# Altium PCB UltraZohm_Analog_ADS5272.PcbDoc (part 2 of 4)
Units mm, origin at the board's own origin, x right, y up, seen from the top; angles counter-clockwise.
Board outline 156.02 x 100.09 mm, 6 copper layers (Top Layer, AGND, VCC, GND, Signal 1, Bottom Layer), stack 1.58 mm thick; 321 components, 279 nets, 1409 pads, 548 vias.
Unrouted connection lines stored in the file: 181.
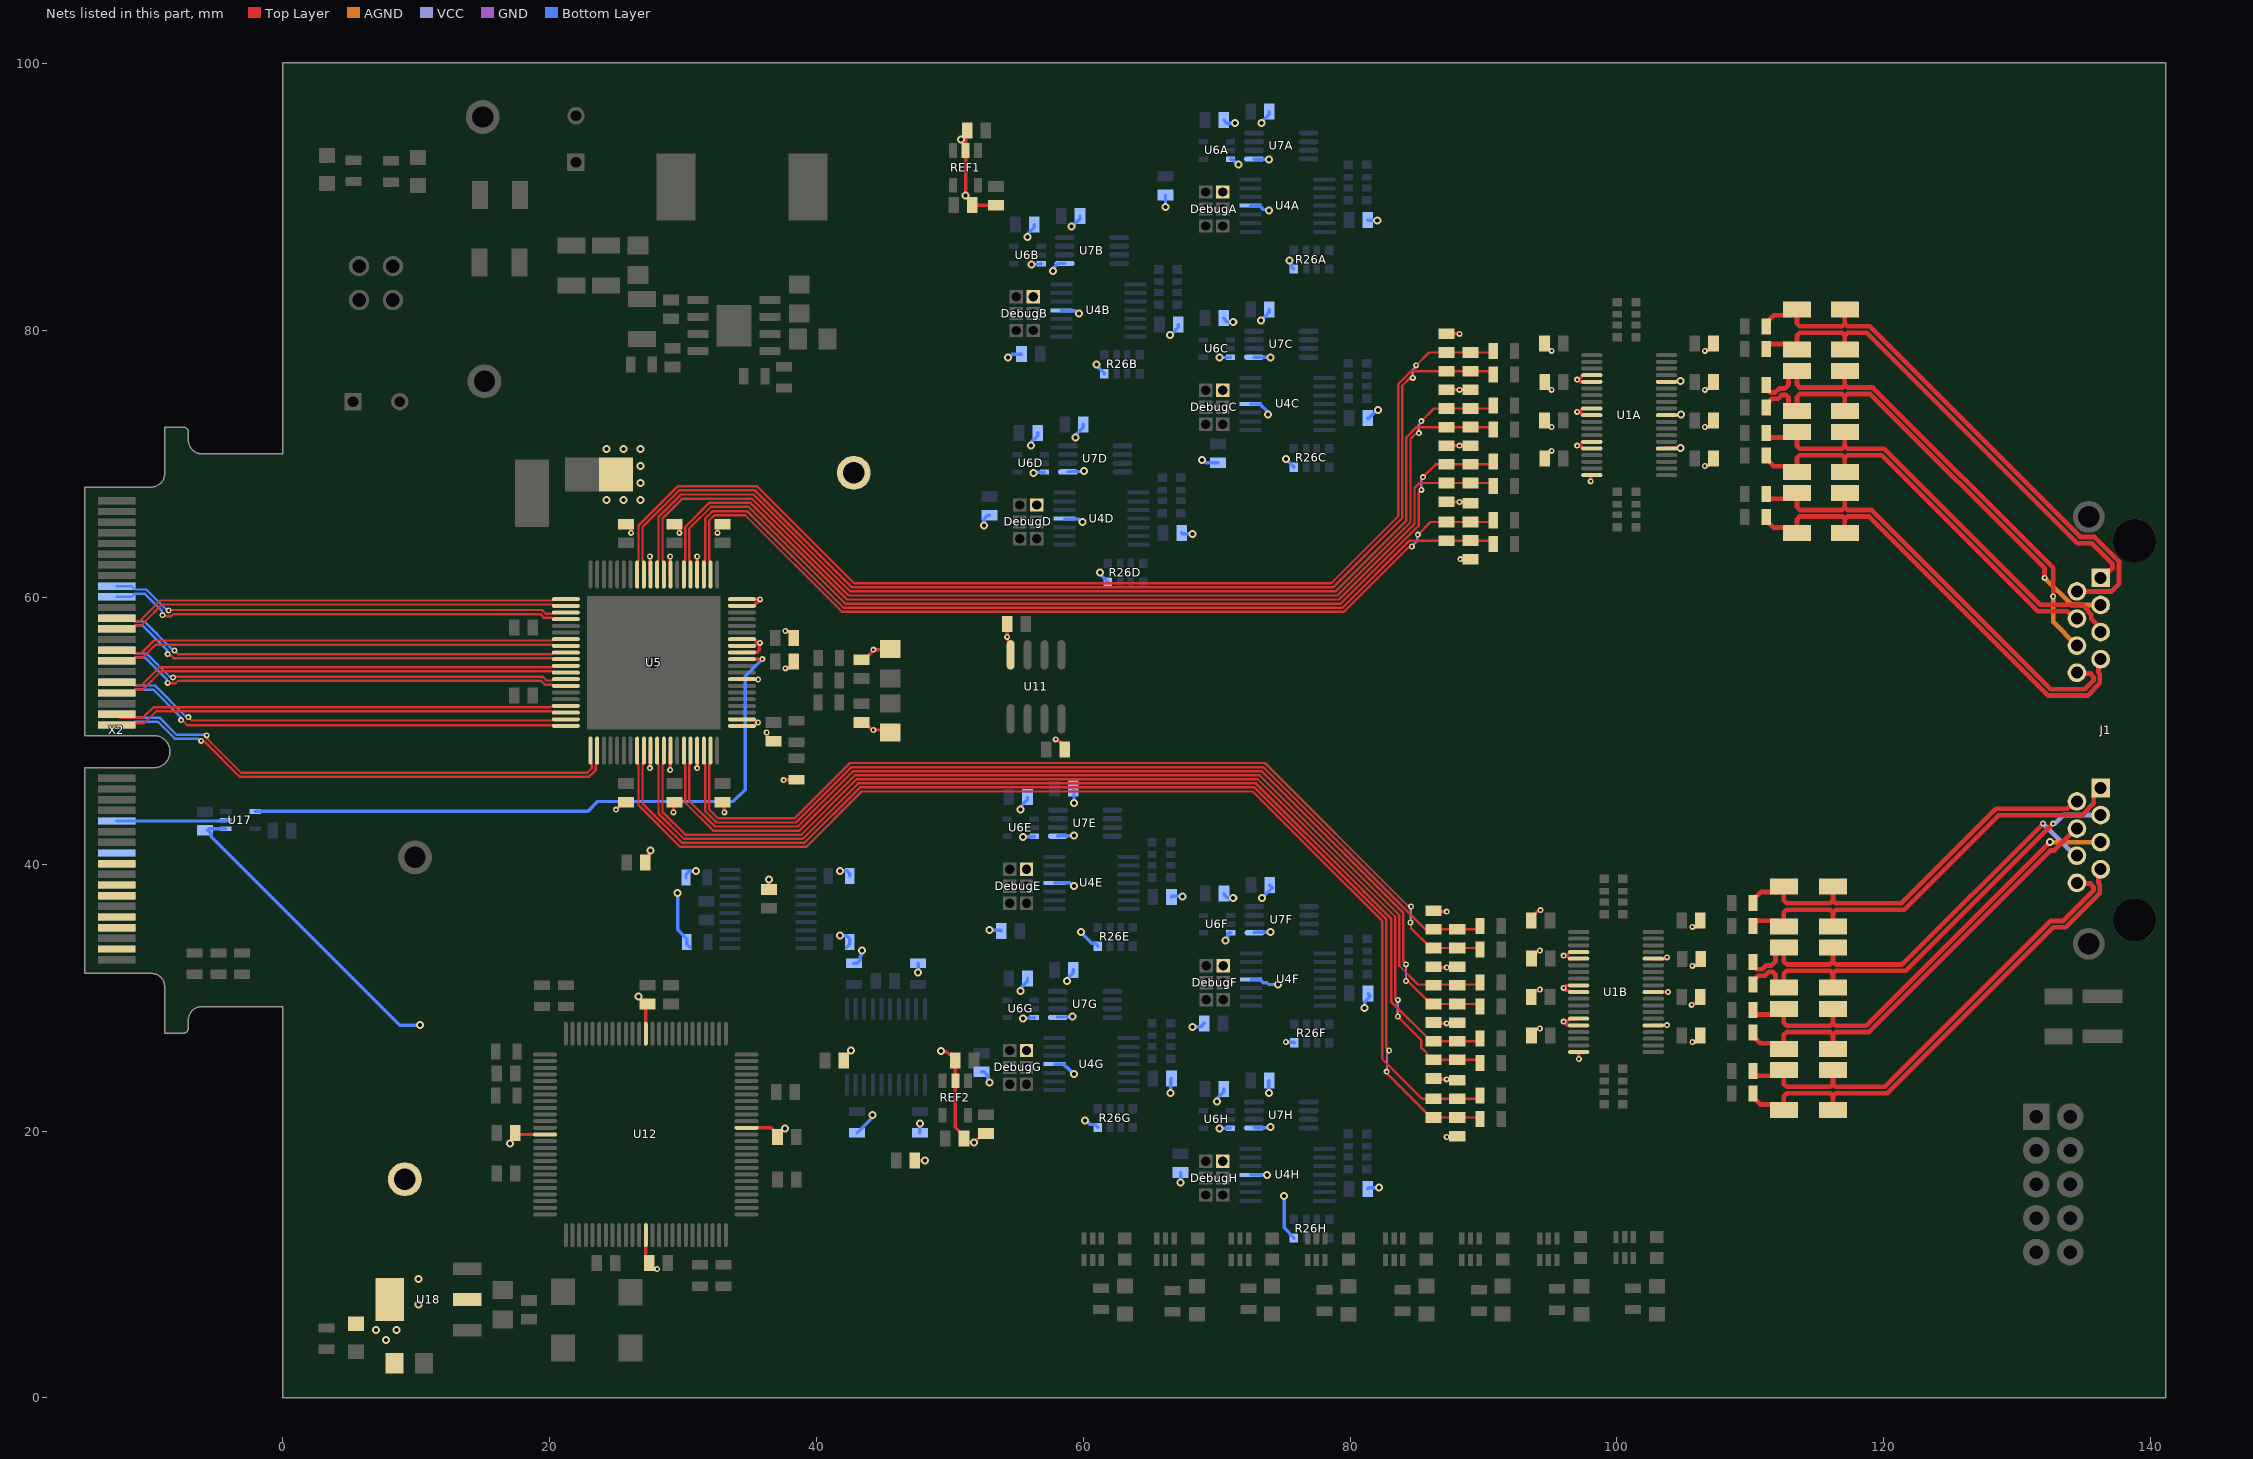
[diagram p6: the nets of this part, all layers, seen from the top]

## Part data
BS1 BS2: library part Bead, "6A", Manufacturer Part-Number=HI1206T500R-10, Digikey Part-Number=240-2412-1-ND
C1A C1B C2A C2B C10 C13 C15 C16 C17 C18 C19 C20 C21 C22 C23 C24 C25 C28 C29 C30 C31 C32 C33 C34 C35A C35B C36A C36B C37A C37B C38A C38B C39A C39B C40 C44 C46 C49A C49B C53 C55 C56 C57 C58 C59 C68A C68B C68C C68D C68E C68F C68G C68H C69A C69B C69C C69D C69E C69F C69G C69H C70A C70B C70C C70D C70E C70F C70G C70H C73 C74 C75 C76 C77 C78 C85A C85B C85C C85D C85E C85F C85G C85H C86 C87 C88 C89 C90 C91: library part Cap_0603, "Capacitor", Manufacturer Part-Number=LD03YC104KAB2A, Digikey Part-Number=478-4929-1-ND, LatestRevisionDate=17-Jul-2002, LatestRevisionNote="Re-released for DXP Platform.", PackageReference=RAD-0.3, Published=8-Jun-2000, Publisher="Altium Limited", Rule=PcbType=ProtelPcb
C3 C4 C5 C6 C7 C9 C11 C12: library part Cap_0603, "Capacitor", Manufacturer Part-Number=0603YC104K4T4A, Digikey Part-Number=478-9382-1-ND, LatestRevisionDate=17-Jul-2002, LatestRevisionNote="Re-released for DXP Platform.", PackageReference=RAD-0.3, Published=8-Jun-2000, Publisher="Altium Limited", Rule=PcbType=ProtelPcb
C8: library part Cap_0805, "Capacitor", Manufacturer Part-Number=C0805C104Z5VACTU, Voltage="50 V", Digikey Part-Number=399-1177-1-ND
C14 C63 C71 C72: library part Cap_0805, "Capacitor", Manufacturer Part-Number=GMK212B7105MG-T, Voltage="35 V", Digikey Part-Number=587-4892-1-ND
C26 C27: library part Cap_0805, "Capacitor", Manufacturer Part-Number=CL21B225KPFNNNE, Voltage="10 V", Digikey Part-Number=1276-1188-1-ND
C41A C41B C42A C42B C45A C45B C47A C47B C50A C50B C51A C51B C54A C54B C64A C64B: library part Cap_0603, "Capacitor", Manufacturer Part-Number=CL10B201KB8NNNC, Digikey Part-Number=1276-1982-1-ND, LatestRevisionDate=17-Jul-2002, LatestRevisionNote="Re-released for DXP Platform.", PackageReference=RAD-0.3, Published=8-Jun-2000, Publisher="Altium Limited", Rule=PcbType=ProtelPcb
C43A C43B C48A C48B C52A C52B C65A C65B: library part Cap_0603, "Capacitor", Manufacturer Part-Number=06031A101FAT2A, Digikey Part-Number=478-3671-1-ND, LatestRevisionDate=17-Jul-2002, LatestRevisionNote="Re-released for DXP Platform.", PackageReference=RAD-0.3, Published=8-Jun-2000, Publisher="Altium Limited", Rule=PcbType=ProtelPcb
C60 C61: library part 860020574012, "WCAP-ATG5 Aluminum Electrolytic Capacitors, 8x11.5mm, 35 Vdc, 220 uF", Operating Temperature="-40 °C up to +105 °C", Supplier Part Number 1=710-860020574012, Voltage="35 Vdc", ComponentLink1Description=Manufacturer, ComponentLink1URL=http://www.we-online.de, ComponentLink2Description=Datasheet, ComponentLink2URL=http://katalog.we-online.com/pbs/datasheet/860020574012.pdf, Life Cycle=2000h, MF="Wurth Elektronik", MPN=860020574012, Part Number=860020574012, Published Date="Sep. 2017", Size=8x11.5mm, Supplier 1=Mouser
C62 C66 C67: library part Cap_1206, "Capacitor", Manufacturer Part-Number=GRM319R6YA106KA12D, Voltage="35 V", Digikey Part-Number=490-9964-2-ND*
C80: library part Cap_1210, "Capacitor", Voltage=1000V, LatestRevisionDate=17-Jul-2002, LatestRevisionNote="Re-released for DXP Platform.", PackageReference=RAD-0.3, Published=8-Jun-2000, Publisher="Altium Limited"
C81A C81B C82A C82B C83A C83B C84A C84B: library part Cap_1206, "Capacitor"
C92: library part Cap_0603, "Capacitor Ceramic", Manufacturer Part-Number=CL10A105KB8NNNC, Voltage="50 V", Digikey Part-Number=1276-1860-1-ND
D1 D2: library part LED2, "LED Magenta", Manufacturer Part-Number=150080BS75000, PackageDocument=Feb-2002, Digikey Part-Number=732-4982-1-ND, LatestRevisionDate=17-Jul-2002, LatestRevisionNote="Re-released for DXP Platform.", PackageReference=3.2X1.6X1.1, Published=8-Jun-2000, Publisher="Altium Limited"
D3: library part LED2, "LED Magenta", Manufacturer Part-Number="LG L29K-F2J1-24-Z", PackageDocument=Feb-2002, Digikey Part-Number=475-3118-1-ND, LatestRevisionDate=17-Jul-2002, LatestRevisionNote="Re-released for DXP Platform.", PackageReference=3.2X1.6X1.1, Published=8-Jun-2000, Publisher="Altium Limited"
D4 D5 D6 D7 D8 D9 D10 D11: library part LED2, "LED Magenta", Manufacturer Part-Number=150080YS75000, PackageDocument=Feb-2002, Digikey Part-Number=732-4987-1-ND, LatestRevisionDate=17-Jul-2002, LatestRevisionNote="Re-released for DXP Platform.", PackageReference=3.2X1.6X1.1, Published=8-Jun-2000, Publisher="Altium Limited"
DebugA DebugB DebugC DebugD DebugE DebugF DebugG DebugH: library part "Header 3x2 Macho_Pitch_1.27mm", "Connector Header Through Hole 6 position 0.050\" (1.27mm)", Manufacturer Part-Number=GRPB032VWVN-RC, Digikey Part-Number=S9015E-03-ND
J1: "Modular Jack WR-MJ, Tab Up, Shielded, Dual Port, Righ Angle, THT, 8P8C", Contact Resistance="20 mOhm", Operating Temperature="-40 to 85 degC", Rated Current="1.5 A", Supplier Part Number 1=523-RJHSE-5380-02, Withstanding Voltage="1000 VAC", Working Voltage="120 VAC", Compliance="Lead free / RoHS", ComponentLink1Description=Manufacturer, ComponentLink1URL=http://www.we-online.de, ComponentLink2Description=Datasheet, ComponentLink2URL=https://katalog.we-online.de/em/datasheet/615016137621.pdf, Entrance="Right Angle", MF=Amphenol, Mounting Technology=THT, MPN=RJHSE-5380-02, Packaging=Tray, Pin Number=8P8C, Port=1x2, Published Date="July 2018", Supplier 1=Mouser
"JTAG CPLD": library part "Header JTAG_MAXII", "Header, 5-Pin, Dual row, Vertical", Manufacturer Part-Number=3020-10-0200-00, Digikey Part-Number=1175-1615-ND, LatestRevisionDate=17-Jul-2002, LatestRevisionNote="Re-released for DXP Platform.", Publisher="Altium Limited"
L2: library part B82464G4154M, "SMT power Inductor, 15uH, 40m DRC", MPN=48150SC, Rated Current="3.7 A", Supplier Part Number 1=811-3837-1-ND, DCR=40m, MF=Murata, Supplier 1=Digikey
POT1 POT2: "Digital Trimmer", Manufacturer Part-Number=X95840WV20IZ-2.7, Digikey Part-Number=X95840WV20IZ-2.7-ND
R1 R2 R21 R22: library part Res0603, Manufacturer Part-Number=ERJ-3GEYJ222V, Digikey Part-Number=P2.2KGCT-ND, LatestRevisionDate=17-Jul-2002, LatestRevisionNote="Re-released for DXP Platform.", PackageDescription="Axial Device, Thru-Hole; 2 Leads; 0.3 in Pin Spacing", PackageReference=AXIAL-0.3, Published=8-Jun-2000, Publisher="Altium Limited"
R3 R4 R5 R6 R7 R8 R9 R10: library part Res0603, Manufacturer Part-Number=ESR03EZPJ681, Digikey Part-Number=RHM680DCT-ND, LatestRevisionDate=17-Jul-2002, LatestRevisionNote="Re-released for DXP Platform.", PackageDescription="Axial Device, Thru-Hole; 2 Leads; 0.3 in Pin Spacing", PackageReference=AXIAL-0.3, Published=8-Jun-2000, Publisher="Altium Limited"
R11: library part Res0603, Manufacturer Part-Number=ESR03EZPJ102, Digikey Part-Number=RHM1.0KDCT-ND, LatestRevisionDate=17-Jul-2002, LatestRevisionNote="Re-released for DXP Platform.", PackageDescription="Axial Device, Thru-Hole; 2 Leads; 0.3 in Pin Spacing", PackageReference=AXIAL-0.3, Published=8-Jun-2000, Publisher="Altium Limited"
R12 R56 R73 R74 R75 R80 R81 R82 R83: library part Res0603, Manufacturer Part-Number=RT0603DRD0710KL, Digikey Part-Number=311-10KDCT-ND, LatestRevisionDate=17-Jul-2002, LatestRevisionNote="Re-released for DXP Platform.", PackageDescription="Axial Device, Thru-Hole; 2 Leads; 0.3 in Pin Spacing", PackageReference=AXIAL-0.3, Published=8-Jun-2000, Publisher="Altium Limited"
R13 R14 R15: library part Res0603, Manufacturer Part-Number=CRCW06030000Z0EA, Digikey Part-Number=541-0.0GCT-ND, LatestRevisionDate=17-Jul-2002, LatestRevisionNote="Re-released for DXP Platform.", PackageDescription="Axial Device, Thru-Hole; 2 Leads; 0.3 in Pin Spacing", PackageReference=AXIAL-0.3, Published=8-Jun-2000, Publisher="Altium Limited"
R16: library part Res0603, Manufacturer Part-Number=ERA-3AEB472V, Digikey Part-Number=P4.7KDBCT-ND, LatestRevisionDate=17-Jul-2002, LatestRevisionNote="Re-released for DXP Platform.", PackageDescription="Axial Device, Thru-Hole; 2 Leads; 0.3 in Pin Spacing", PackageReference=AXIAL-0.3, Published=8-Jun-2000, Publisher="Altium Limited"
R17 R18: library part Res0603, Manufacturer Part-Number=CPF0603F2R0C1, Digikey Part-Number=A102258CT-ND, LatestRevisionDate=17-Jul-2002, LatestRevisionNote="Re-released for DXP Platform.", PackageDescription="Axial Device, Thru-Hole; 2 Leads; 0.3 in Pin Spacing", PackageReference=AXIAL-0.3, Published=8-Jun-2000, Publisher="Altium Limited"
R19: library part Res0603, Manufacturer Part-Number=RT0603DRD0756KL, Digikey Part-Number=311-56KDCT-ND, LatestRevisionDate=17-Jul-2002, LatestRevisionNote="Re-released for DXP Platform.", PackageDescription="Axial Device, Thru-Hole; 2 Leads; 0.3 in Pin Spacing", PackageReference=AXIAL-0.3, Published=8-Jun-2000, Publisher="Altium Limited"
R20 R41 R90: library part Res0603, Manufacturer Part-Number=RC0603JR-07220RL, Digikey Part-Number=311-220GRCT-ND, LatestRevisionDate=17-Jul-2002, LatestRevisionNote="Re-released for DXP Platform.", PackageDescription="Axial Device, Thru-Hole; 2 Leads; 0.3 in Pin Spacing", PackageReference=AXIAL-0.3, Published=8-Jun-2000, Publisher="Altium Limited"
R23A R23B R24A R24B: library part "ResArray 1206", "Chip Resistor Array 0606, 4xR", MPN=ACASA1002S1002P100, Supplier Part Number 1=749-1023-1-ND, Created=Kreppel_0420, MF=Vishay, Supplier 1=Digikey
R25A R25B R25C R25D R25E R25F R25G R25H: library part "ResArray 1206", "Chip Resistor Array 0606, 4xR", MPN=ACASA1003S1003P1AT, Supplier Part Number 1=749-1032-1-ND, Created=Kreppel_0420, MF=Vishay, Supplier 1=Digikey
R26A R26B R26C R26D R26E R26F R26G R26H: library part "ResArray 1206", "Chip Resistor Array 0606, 4xR", MPN=Vishay, Supplier Part Number 1=749-1023-1-ND, Created=Kreppel_0420, MF=ACASA1002S1002P100, Supplier 1=Digikey
R27 R35 R36: library part Res0603, LatestRevisionDate=17-Jul-2002, LatestRevisionNote="Re-released for DXP Platform.", PackageDescription="Axial Device, Thru-Hole; 2 Leads; 0.3 in Pin Spacing", PackageReference=AXIAL-0.3, Published=8-Jun-2000, Publisher="Altium Limited"
  R35: Digikey Part-Number=RR08P100KDCT-ND
  R36: Digikey Part-Number=RR08P40.2KDCT-ND
R28: library part Res1206, "Resistor"
R31A R31B R34A R34B R37A R37B R40A R40B R43A R43B R46A R46B R49A R49B R52A R52B: library part Res0603, Manufacturer Part-Number=RMCF0603FT48R7, Digikey Part-Number=RMCF0603FT48R7CT-ND, LatestRevisionDate=17-Jul-2002, LatestRevisionNote="Re-released for DXP Platform.", PackageDescription="Axial Device, Thru-Hole; 2 Leads; 0.3 in Pin Spacing", PackageReference=AXIAL-0.3, Published=8-Jun-2000, Publisher="Altium Limited"
R32A R32B R33A R33B R38A R38B R39A R39B R44A R44B R45A R45B R50A R50B R51A R51B: library part Res0603, Manufacturer Part-Number=ERA-3AEB3922V, Digikey Part-Number=P39.2KDBCT-ND, LatestRevisionDate=17-Jul-2002, LatestRevisionNote="Re-released for DXP Platform.", PackageDescription="Axial Device, Thru-Hole; 2 Leads; 0.3 in Pin Spacing", PackageReference=AXIAL-0.3, Published=8-Jun-2000, Publisher="Altium Limited"
R57A R57B R58A R58B R62A R62B R63A R63B: library part "Res Semi", "Limiter Resistor", Manufacturer Part-Number=ERA-8AEB161V, Digikey Part-Number=P160BCCT-ND, LatestRevisionDate=17-Jul-2002, LatestRevisionNote="Re-released for DXP Platform.", PackageDescription="Axial Device, Thru-Hole; 2 Leads; 0.5 in Pin Spacing", PackageReference=AXIAL-0.5, Published=8-Jun-2000, Publisher="Altium Limited"
R89: library part Res0603, Manufacturer Part-Number=RC0603FR-07330RL, Digikey Part-Number=311-330HRCT-ND, LatestRevisionDate=17-Jul-2002, LatestRevisionNote="Re-released for DXP Platform.", PackageDescription="Axial Device, Thru-Hole; 2 Leads; 0.3 in Pin Spacing", PackageReference=AXIAL-0.3, Published=8-Jun-2000, Publisher="Altium Limited"
REF1 REF2: Manufacturer Part-Number=REF2033AIDDCT, Digikey Part-Number=296-40487-1-ND
TP1 TP2 TP3 TP4 TP5: library part TP, "1.6mm Test Point Keystone", MPN=5006, Supplier Part Number 1=36-5006-ND, Created=2020_04_Kreppel, MF="Keystone Electronics", Supplier 1=Digikey
U1A U1B: library part THS4524_1, "Quad Channel fully differential Amplilfier", Package=TSSOP-38, Supplier Part Number 1=595-THS4524IDBTR, Created=20190720_Kreppel, MF="Texas Instruments", MPN=THS4524, Supplier 1=Mouser
U2 U3 U8 U9 U10 U13 U14 U15: library part MIC94092, "General Purpose High Side Load Switch", MPN=MIC94092YC6-TR, Supplier Part Number 1=576-3488-1-ND, Created="4/20 Kreppel", MF="Microchip Technologies", Supplier 1=Digikey
U4A U4B U4C U4D U4E U4F U4G U4H: "opamp rai to rail 1mV", Manufacturer Part-Number=OPA4344EA/250, Digikey Part-Number=OPA4344EACT-ND
U5: Manufacturer Part-Number=ADS5272IPFP, Digikey Part-Number=296-18605-ND
U6A U6B U6C U6D U6E U6F U6G U6H: "2-Input NAND Gate", Manufacturer Part-Number=MC74VHC1G00DFT1G, ComponentLink1Description="Manufacturer Link", ComponentLink1URL=http://www.onsemi.com/, ComponentLink2Description=Datasheet, ComponentLink2URL=http://www.onsemi.com/pub/Collateral/MC74VHC1G00-D.PDF, DatasheetVersion=Dec-1999, Digikey Part-Number=MC74VHC1G00DFT1GOSTR-ND, LatestRevisionDate=12-Dec-2006, LatestRevisionNote="IPC-7351 Footprint Added.", PackageDescription="5-Pin SOT-353 Package 0.65 mm Pitch, 2.1 mm Lead Span", PackageReference=419A-01, PackageVersion=Oct-1999, Published=15-Apr-2002, Publisher="Altium Limited"
U7A U7B U7C U7D U7E U7F U7G U7H: library part MAX962, "IC COMPARATOR BTR 8-UMAX", Manufacturer Part-Number=MAX962EUA+, Digikey Part-Number=MAX962EUA+-ND
U11: "IC OPAMP JFET 3MHZ 8SOIC", Manufacturer Part-Number=TL071CDR, Digikey Part-Number=296-14994-1-ND
U12: "MAX V CPLD 440MC 9NS 100TQFP", Digikey Part-Number=544-2839-ND, Manufacturer Part-Number=5M570ZT100C5N
U16: library part LMR33620A, "3.8V to 36V, 2A synchronous step-down converter", Supplier Part Number 1=296-51355-1-ND, Switching frequency=400kHz, Created="4/20 Kreppel", MF="Texas Instruments", MPN=LMR33620A, Supplier 1=Digikey
U17: library part SN74AUP1T34, "1-Bit Unidirection Voltage Level Translator", MPN=SN74AUP1T34-Q1, Package=SC70, Suppllier Part Number 1=296-40540-1-ND, Created=2020_04_Kreppel, MF="Texas Instruments", Supplier 1=Digikey
U18: library part TLV1117LV18DCYR, "1A Positive 1.8V Fixed-Voltage Low-Dropout Regulator", Current Max="1 A", Supplier Part Number 1=296-28777-1-ND, Voltage Input Max="5.5 V", Voltage Output="1.8 V", Created=2020_04_Kreppel, MF="Texas Instruments", MPN=TLV1117LV18DCYR, Supplier 1=Digikey
X1: library part Oscilador_1, "Oscilador 20MHz", Manufacturer Part-Number=CB3LV-3I-20M0000, Digikey Part-Number=CTX306LVCT-ND
X2: "Mating Card Layout for HSEC8-140-01-XX-DV-A-BL", Manufacturer=SAMTEC, Created=2018_04_23_AGeiger
X3: library part IPL1-102-XX-X-D-X, "2.54mm Double Row Terminal Assembly, Right-Angled", Manufacturer=SAMTEC, Created=2018_05_02_AGeiger, MPN=IPL1-102-01-L-D-K

## Via types
v1: diameter 0.6, hole 0.3, Top Layer to Bottom Layer, tented both sides, 338 vias
v2: diameter 0.45, hole 0.2, Top Layer to Bottom Layer, tented both sides, 182 vias
v3: diameter 0.45, hole 0.2, Top Layer to Bottom Layer, tented bottom, 16 vias
v4: diameter 0.5, hole 0.2, Top Layer to Bottom Layer, tented both sides, 6 vias
v5: diameter 0.8, hole 0.4, Top Layer to Bottom Layer, tented both sides, 4 vias
v6: diameter 0.45, hole 0.2, Top Layer to Bottom Layer, 2 vias

## Nets (pads, with @x,y where several pads share a name; then routed paths per layer and width w, separated by ;. In a path a pad name is that pad's centre, name@x,y a point inside that pad or via, vN(x,y) a via of type N, cw(c..) or ccw(c..) an arc to the next point about the centre after c; other vN are vias at no path point)
+1.8V: C55.1 C56.1 C57.1 C58.1 C72.1 C86.1 D3.1 TP5.1 U12.13 U12.39 U12.63 U12.88 U17.1 U18.2 U18.4 | length 36.6
  Top Layer w0.254: v1(17.018,19.05) 17.018,19.144 17.161,19.286 17.161,19.596 C58.1@17.434,19.869 17.561,19.742 U12.88@19.66,19.742 ; v1(26.67,30.099) 26.736,30.033 26.736,29.921 27.137,29.521 C57.1@27.337,29.521 27.21,29.394 U12.63@27.21,27.292 ; U12.13@27.21,12.192 27.21,10.344 C55.1@27.464,10.09 27.464,9.925 27.737,9.652 v2(28.067,9.652) ; U12.39@34.76,20.242 36.597,20.242 C56.1@37.081,19.758 ; C56.1@37.081,19.558 C56.1@37.081,19.758 ; v1(37.655,20.188) 37.589,20.122 37.445,20.122 C56.1@37.081,19.758
  Bottom Layer w0.254: U17.1@-4.285,42.657 -5.53,42.657 -5.642,42.545 -5.369,42.272 -5.369,42.072 8.763,27.94 v1(10.287,27.94)
  other v1: 7.747,4.318 6.985,5.08 8.509,5.08 10.16,6.985 10.16,8.89
ADC_IN_N1: C64A.2 C65A.1 R31A.1 U5.3 | length 68.7
  Top Layer w0.178: U5.3@31.563,61.718 31.563,62.651 31.661,62.749 31.661,65.917 32.154,66.41 32.169,66.41 32.231,66.472 34.797,66.472 42.036,59.233 79.426,59.233 84.452,64.259 C65A.1@87.249,64.259 89.027,64.259 90.478,64.259 R31A.1@90.729,64.008
ADC_IN_N2: C42A.2 C43A.1 R37A.1 U5.6 | length 73.2
  Top Layer w0.178: U5.6@30.063,61.718 30.063,62.651 30.161,62.749 30.161,63.595 30.166,63.6 30.166,65.284 31.988,67.107 35.024,67.107 42.289,59.842 79.173,59.842 84.836,65.505 84.836,68.199 85.217,68.58 C42A.2@87.249,68.58 C43A.1@89.027,68.58 90.495,68.58 R37A.1@90.729,68.346
ADC_IN_N3: C47A.2 C48A.1 R43A.1 U5.10 | length 79.5
  Top Layer w0.178: U5.10@28.063,61.718 28.063,62.651 28.161,62.749 28.161,66.036 29.841,67.716 35.277,67.716 42.541,60.452 78.921,60.452 84.226,65.758 84.226,72.009 84.985,72.768 C48A.1@87.249,72.768 89.027,72.768 90.548,72.768 R43A.1@90.729,72.587
ADC_IN_N4: C51A.2 C52A.1 R49A.1 U5.13 | length 84.5
  Top Layer w0.178: U5.13@26.563,61.718 26.563,62.651 26.661,62.749 26.661,65.398 29.588,68.326 35.56,68.326 42.824,61.062 78.588,61.062 83.617,66.091 83.617,75.997 84.582,76.962 C51A.2@87.249,76.962 C52A.1@89.027,76.962 90.475,76.962 R49A.1@90.729,76.708
ADC_IN_N5: C64B.2 C65B.1 R31B.1 U5.49 | length 86.9
  Top Layer w0.178: U5.49@27.063,48.518 27.063,47.585 26.965,47.487 26.965,44.562 29.923,41.605 39.112,41.605 43.265,45.758 72.836,45.758 82.728,35.867 82.728,26.238 v2(82.931,26.035) ; v2(82.746,24.453) 82.798,24.401 82.798,24.278 86.061,21.015 C65B.1@86.261,21.015 89.617,21.015 R31B.1@89.741,20.891
  GND w0.178: v2(82.746,24.453) 82.775,24.482 82.775,25.805 82.931,25.961 v2(82.931,26.035)
ADC_IN_N6: C42B.2 C43B.1 R37B.1 U5.52 | length 81.9
  Top Layer w0.178: U5.52@28.563,48.518 28.563,47.585 28.465,47.487 28.465,43.925 30.175,42.215 38.859,42.215 43.012,46.368 73.089,46.368 74.841,44.615 79.007,40.45 83.388,36.069 83.388,29.936 83.411,29.936 83.515,29.831 v2(83.588,29.831) ; v2(83.579,28.588) 85.344,26.824 85.344,26.253 85.75,25.847 85.75,25.647 86.062,25.336 C42B.2@86.261,25.336 89.507,25.336 R37B.1@89.741,25.102
  GND w0.178: v2(83.579,28.588) 83.584,28.593 83.584,29.827 v2(83.588,29.831)
ADC_IN_N7: C47B.2 C48B.1 R43B.1 U5.56 | length 75.8
  Top Layer w0.178: U5.56@30.563,48.518 30.563,47.585 30.465,47.487 30.465,46.676 30.47,46.671 30.47,44.74 32.386,42.824 38.607,42.824 42.76,46.978 73.368,46.978 83.962,36.384 83.962,36.357 83.998,36.321 83.998,32.739 84.203,32.534 v2(84.203,32.499) ; v2(84.201,31.242) 84.253,31.19 84.395,31.19 86.061,29.524 C48B.1@86.261,29.524 89.56,29.524 R43B.1@89.741,29.343
  GND w0.178: v2(84.201,31.242) 84.202,31.243 v2(84.203,32.499) v2(84.203,32.499)
ADC_IN_N8: C51B.2 C52B.1 R49B.1 U5.59 | length 71
  Top Layer w0.178: U5.59@32.063,48.518 32.063,47.585 31.965,47.487 31.965,44.108 32.639,43.434 38.354,43.434 42.507,47.587 73.621,47.587 84.326,36.882 84.53,36.882 v2(84.582,36.83) ; v2(84.524,35.629) 84.576,35.577 84.576,35.203 86.061,33.718 C51B.2@86.261,33.718 89.614,33.718 R49B.1@89.741,33.591
  GND w0.178: v2(84.524,35.629) 84.553,35.658 84.553,36.801 v2(84.582,36.83)
ADC_IN_P1: C41A.1 C65A.2 R34A.1 U5.2 | length 69.1
  Top Layer w0.178: U5.2@32.063,61.718 32.063,62.651 31.965,62.749 31.965,65.791 32.28,66.105 32.296,66.105 32.358,66.167 34.671,66.167 41.91,58.928 79.552,58.928 84.39,63.766 84.583,63.766 v2(84.635,63.818) ; v2(85.085,64.7) 86.044,65.659 C65A.2@87.249,65.659 90.602,65.659 R34A.1@90.729,65.786
  GND w0.178: v2(84.635,63.818) 85.033,64.217 85.033,64.648 v2(85.085,64.7)
ADC_IN_P2: C43A.2 C45A.1 R40A.1 U5.5 | length 73.8
  Top Layer w0.178: U5.5@30.563,61.718 30.563,62.651 30.465,62.749 30.465,63.468 30.47,63.473 30.47,65.158 32.115,66.802 34.898,66.802 42.162,59.538 79.3,59.538 85.141,65.379 85.141,67.832 85.344,68.035 v2(85.344,68.072) ; v2(85.471,69.021) 86.424,69.974 C45A.1@87.249,69.974 90.53,69.974 R40A.1@90.729,70.173